# KiCad board rabbit_mask_capacitors_right.kicad_pcb (continued)
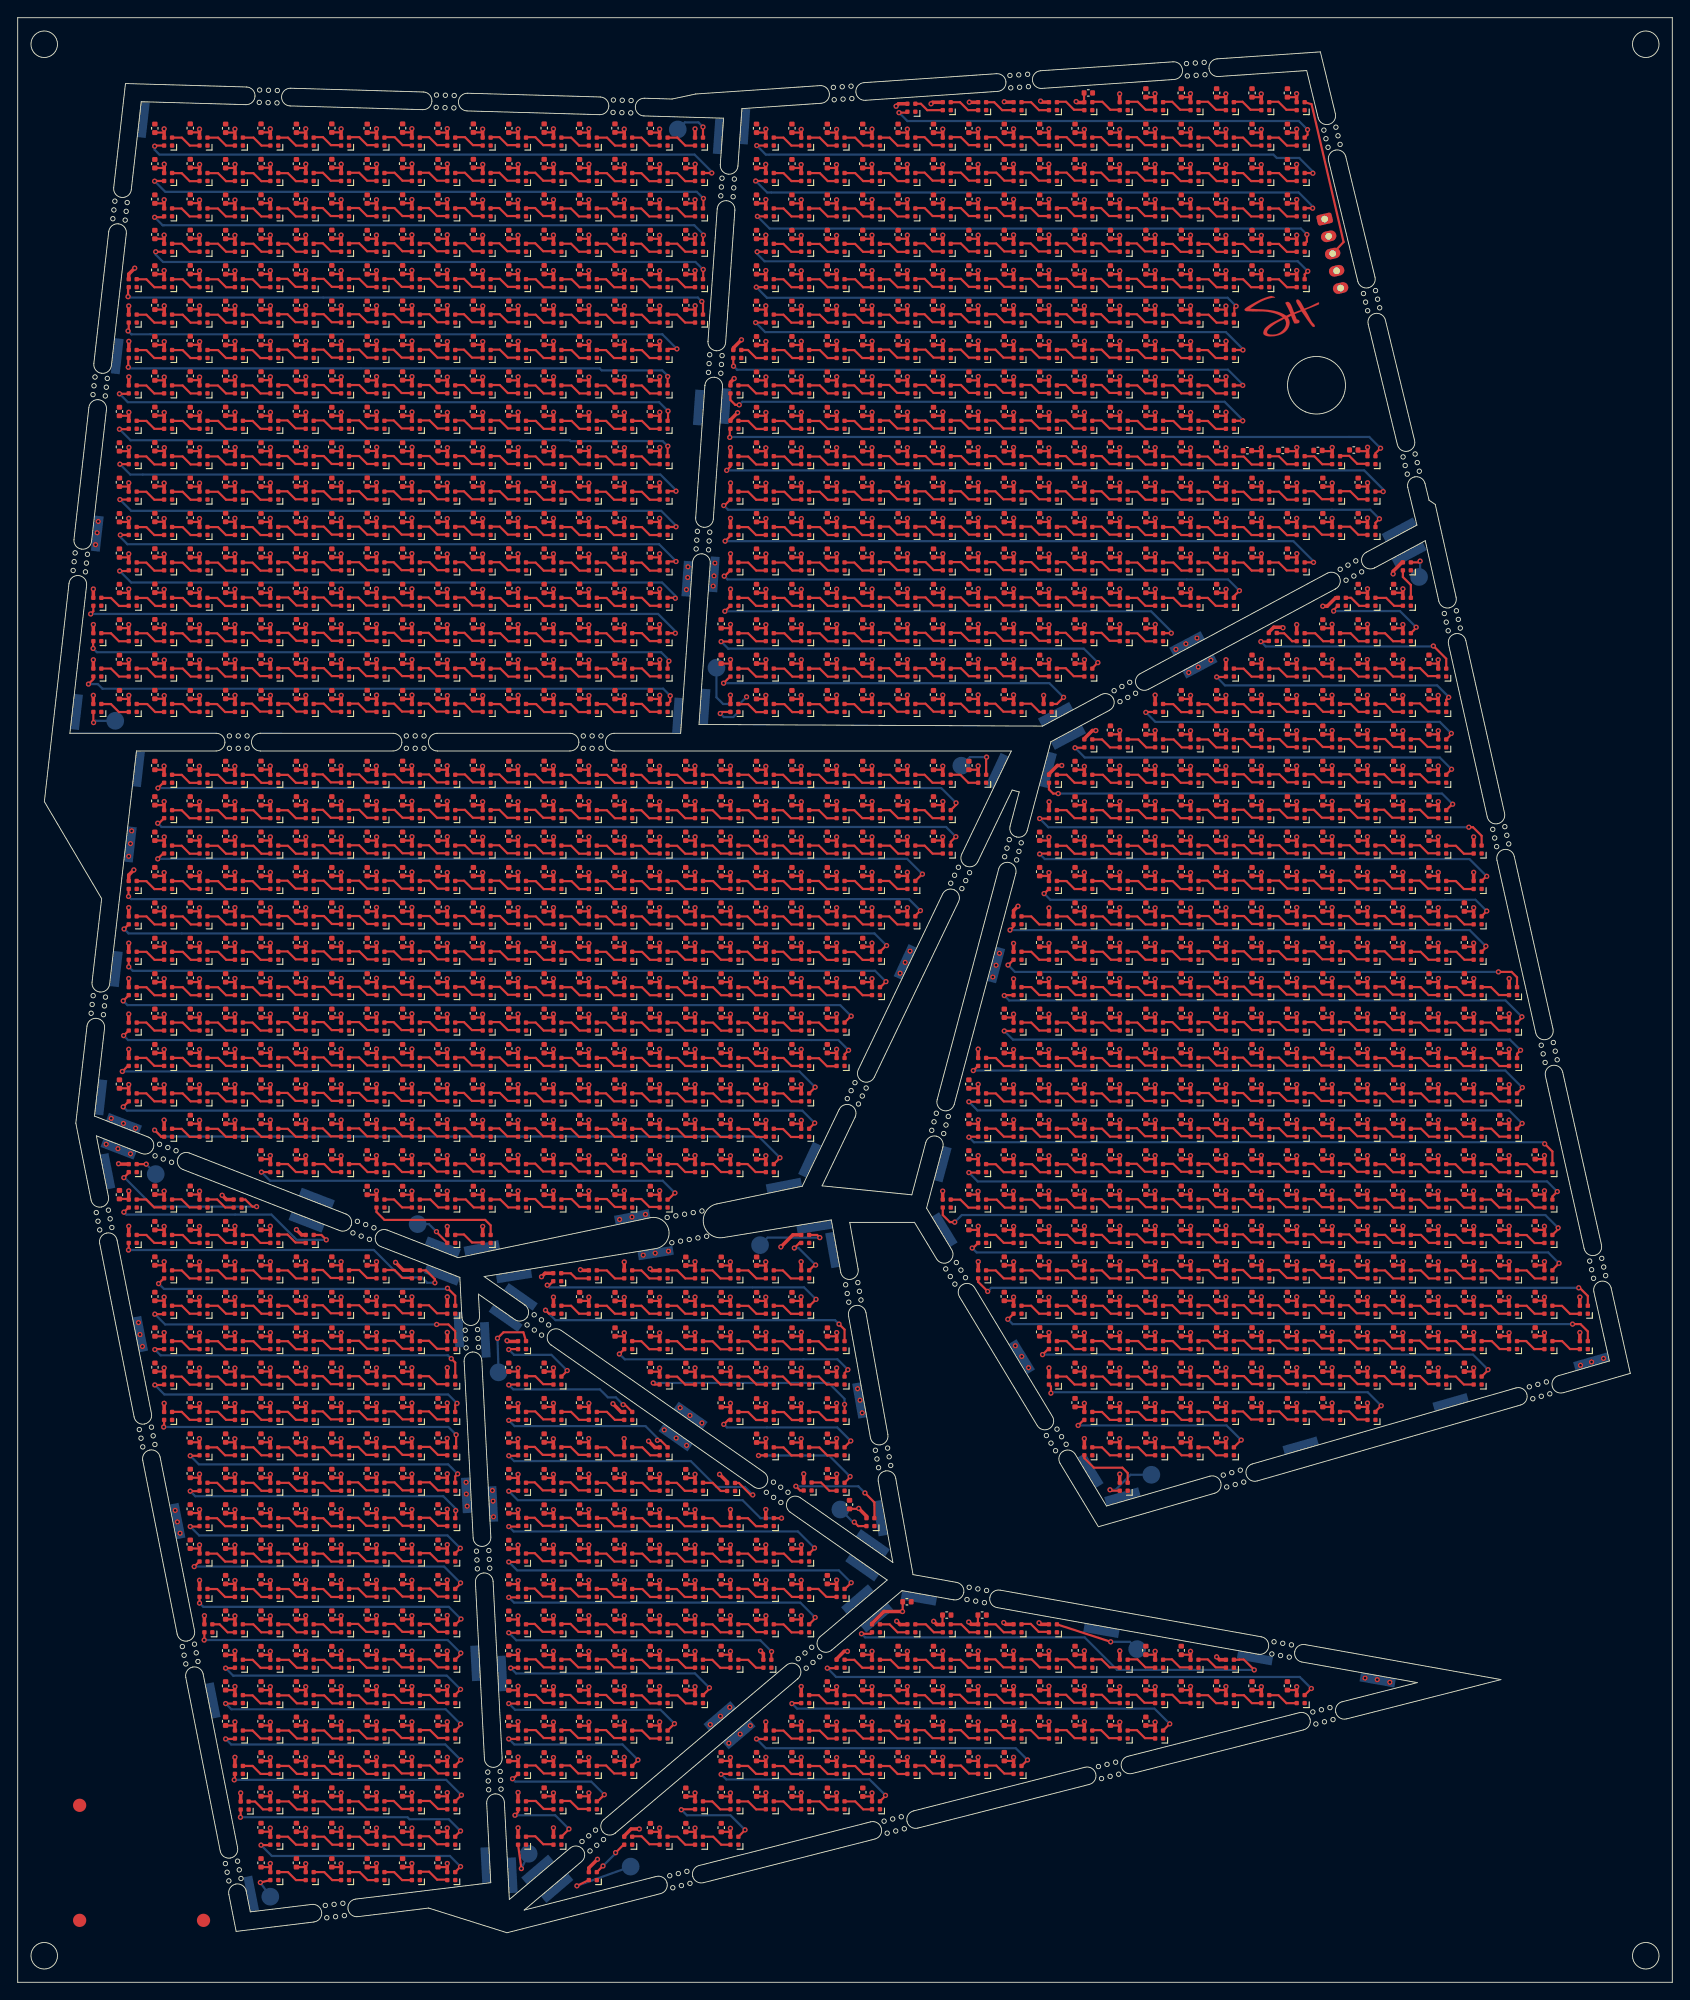
[diagram p0: board, top side]
## Routing (per net, layer and track width the routed paths; a pad name or vN(x,y) marks a point on that pad's centre or on a via; arc(x,y) is an arc through that point) (continued)
Net-(D2722-DIN): length 3.5
  Top w0.25: 28.64,59.55 27.54,59.55 26.64,60.45 25.54,60.45
Net-(D2723-DIN): length 3.5
  Top w0.25: 29.54,60.45 30.64,60.45 31.54,59.55 32.64,59.55
Net-(D2724-DIN): length 3.5
  Top w0.25: 36.54,59.55 35.44,59.55 34.54,60.45 33.44,60.45
Net-(D2725-DIN): length 3.5
  Top w0.25: 37.39,60.5 38.49,60.5 39.39,59.6 40.49,59.6
Net-(D2726-DIN): length 3.5
  Top w0.25: 41.49,60.5 42.59,60.5 43.49,59.6 44.59,59.6
Net-(D2727-DIN): length 3.5
  Top w0.25: 48.59,59.6 47.49,59.6 46.59,60.5 45.49,60.5
Net-(D2729-DIN): length 3.5
  Top w0.25: 57.34,60.5 58.44,60.5 59.34,59.6 60.44,59.6
Net-(D2729-DOUT): length 33.1
  Top w0.25: v1(55.5,59.5) 56.5,59.5 D2729.3 ; v1(83.07,55.07) 82.85,55.07 81.5,56.43 D2756.1
  Bottom w0.25: v1(83.07,55.07) 82.18,55.97 78.95,55.97 78.95,56.03 76.08,58.9 56.1,58.9 v1(55.5,59.5)
Net-(D2730-DIN): length 3.5
  Top w0.25: 64.49,59.6 63.39,59.6 62.49,60.5 61.39,60.5
Net-(D2731-DIN): length 3.5
  Top w0.25: 68.54,59.55 67.44,59.55 66.54,60.45 65.44,60.45
Net-(D2732-DIN): length 3.5
  Top w0.25: 72.59,59.55 71.49,59.55 70.59,60.45 69.49,60.45
Net-(D2734-DIN): length 3.5
  Top w0.25: 85.45,60.44 86.55,60.44 87.45,59.54 88.55,59.54
Net-(D2734-DOUT): length 13.1
  Top w0.25: D2734.3 83.75,59.55 v1(83.73,59.53) ; D2758.1 94.07,57.07 v1(94.07,57.15)
  Bottom w0.25: v1(94.07,57.15) 91.7,59.53 v1(83.73,59.53)
Net-(D2735-DIN): length 3.5
  Top w0.25: 89.5,60.44 90.6,60.44 91.5,59.54 92.6,59.54
Net-(D2737-DIN): length 3.5
  Top w0.25: 121.44,60.45 122.54,60.45 123.44,59.55 124.54,59.55
Net-(D2737-DOUT): length 7
  Top w0.25: D2759.1 125.45,57.55 124.85,58.15 121.62,58.15 120.55,59.22 D2737.3
Net-(D2738-DIN): length 3.5
  Top w0.25: 128.64,59.55 127.54,59.55 126.64,60.45 125.54,60.45
Net-(D2739-DIN): length 3.5
  Top w0.25: 132.64,59.55 131.54,59.55 130.64,60.45 129.54,60.45
Net-(D2740-DIN): length 3.5
  Top w0.25: 133.44,60.45 134.54,60.45 135.44,59.55 136.54,59.55
Net-(D2742-DIN): length 3.5
  Top w0.25: 21.44,56.44 22.54,56.44 23.44,55.54 24.54,55.54
Net-(D2742-DOUT): length 33
  Top w0.25: v1(49.5,53.3) 49.5,52.5 D2767.1 ; D2742.3 20.5,55.5 v1(19.5,55.5)
  Bottom w0.25: v1(49.5,53.3) 49.5,53.53 48.1,54.93 20.07,54.93 v1(19.5,55.5)
Net-(D2743-DIN): length 3.5
  Top w0.25: 28.64,55.54 27.54,55.54 26.64,56.44 25.54,56.44
Net-(D2744-DIN): length 3.5
  Top w0.25: 29.54,56.44 30.64,56.44 31.54,55.54 32.64,55.54
Net-(D2745-DIN): length 3.5
  Top w0.25: 33.44,56.44 34.54,56.44 35.44,55.54 36.54,55.54
Net-(D2746-DIN): length 3.5
  Top w0.25: 37.39,56.49 38.49,56.49 39.39,55.59 40.49,55.59
Net-(D2747-DIN): length 3.5
  Top w0.25: 44.59,55.59 43.49,55.59 42.59,56.49 41.49,56.49
Net-(D2748-DIN): length 3.5
  Top w0.25: 45.49,56.49 46.59,56.49 47.49,55.59 48.59,55.59
Net-(D2750-DIN): length 3.5
  Top w0.25: 60.44,55.59 59.34,55.59 58.44,56.49 57.34,56.49
Net-(D2750-DOUT): length 34
  Top w0.25: D2750.3 56.5,55.5 v1(55.5,55.5) ; D2775.1 v1(86.32,52.45)
  Bottom w0.25: v1(86.32,52.45) 83.95,52.45 81.93,54.47 56.52,54.47 v1(55.5,55.5)
Net-(D2751-DIN): length 3.5
  Top w0.25: 64.49,55.59 63.39,55.59 62.49,56.49 61.39,56.49
Net-(D2752-DIN): length 3.5
  Top w0.25: 65.44,56.44 66.54,56.44 67.44,55.54 68.54,55.54
Net-(D2753-DIN): length 3.5
  Top w0.25: 69.49,56.44 70.59,56.44 71.49,55.54 72.59,55.54
Net-(D2754-DIN): length 3.5
  Top w0.25: 73.39,56.44 74.49,56.44 75.39,55.54 76.49,55.54
Net-(D2755-DIN): length 3.1
  Top w0.25: D2756.3 79.45,55.53 78.54,56.44 77.44,56.44
Net-(D2757-DIN): length 3.2
  Top w0.25: 92.52,55.55 91.72,55.55 90.8,56.47 89.69,56.47
Net-(D2757-DOUT): length 12.5
  Top w0.25: v1(87.95,56.05) 88.43,55.57 D2757.3 ; v1(95.75,55.3) 96.82,54.22 D2776.1
  Bottom w0.25: v1(95.75,55.3) 95,56.05 v1(87.95,56.05)
Net-(D2760-DIN): length 3.5
  Top w0.25: 21.44,52.44 22.54,52.44 23.44,51.54 24.54,51.54
Net-(D2760-DOUT): length 33.4
  Top w0.25: v1(50.02,49.05) 49.45,48.47 D2784.1 ; D2760.3 20.5,51.5 v1(19.5,51.5)
  Bottom w0.25: v1(50.02,49.05) 48.57,50.5 20.5,50.5 v1(19.5,51.5)
Net-(D2761-DIN): length 3.5
  Top w0.25: 28.64,51.54 27.54,51.54 26.64,52.44 25.54,52.44
Net-(D2762-DIN): length 3.5
  Top w0.25: 32.64,51.54 31.54,51.54 30.64,52.44 29.54,52.44
Net-(D2763-DIN): length 3.5
  Top w0.25: 33.44,52.44 34.54,52.44 35.44,51.54 36.54,51.54
Net-(D2764-DIN): length 3.5
  Top w0.25: 37.39,52.49 38.49,52.49 39.39,51.59 40.49,51.59
Net-(D2765-DIN): length 3.5
  Top w0.25: 44.59,51.59 43.49,51.59 42.59,52.49 41.49,52.49
Net-(D2766-DIN): length 3.5
  Top w0.25: 48.59,51.59 47.49,51.59 46.59,52.49 45.49,52.49
Net-(D2768-DIN): length 3.5
  Top w0.25: 60.44,51.59 59.34,51.59 58.44,52.49 57.34,52.49
Net-(D2768-DOUT): length 37.5
  Top w0.25: D2793.1 90.05,49.05 v1(90.05,49.07) ; v1(55.5,51.5) 56.5,51.5 D2768.3
  Bottom w0.25: v1(90.05,49.07) 88.18,50.95 56.05,50.95 v1(55.5,51.5)
Net-(D2769-DIN): length 3.5
  Top w0.25: 64.49,51.59 63.39,51.59 62.49,52.49 61.39,52.49
Net-(D2770-DIN): length 3.5
  Top w0.25: 68.54,51.54 67.44,51.54 66.54,52.44 65.44,52.44
Net-(D2771-DIN): length 3.5
  Top w0.25: 72.59,51.54 71.49,51.54 70.59,52.44 69.49,52.44
Net-(D2772-DIN): length 3.5
  Top w0.25: 76.49,51.54 75.39,51.54 74.49,52.44 73.39,52.44
Net-(D2773-DIN): length 3.5
  Top w0.25: 77.44,52.44 78.54,52.44 79.44,51.54 80.54,51.54
Net-(D2774-DIN): length 3.5
  Top w0.25: 81.44,52.44 82.54,52.44 83.44,51.54 84.54,51.54
Net-(D2777-DIN): length 3.5
  Top w0.25: 24.54,47.54 23.44,47.54 22.54,48.44 21.44,48.44
Net-(D2777-DOUT): length 32.6
  Top w0.25: v1(50.05,45.12) 50.05,45.05 D2801.1 ; v1(19.95,46.97) 20.53,47.55 D2777.3
  Bottom w0.25: v1(50.05,45.12) 48.2,46.97 v1(19.95,46.97)
Net-(D2778-DIN): length 3.5
  Top w0.25: 28.64,47.54 27.54,47.54 26.64,48.44 25.54,48.44
Net-(D2779-DIN): length 3.5
  Top w0.25: 32.64,47.54 31.54,47.54 30.64,48.44 29.54,48.44
Net-(D2780-DIN): length 3.5
  Top w0.25: 33.44,48.44 34.54,48.44 35.44,47.54 36.54,47.54
Net-(D2781-DIN): length 3.5
  Top w0.25: 37.39,48.49 38.49,48.49 39.39,47.59 40.49,47.59
Net-(D2782-DIN): length 3.5
  Top w0.25: 44.59,47.59 43.49,47.59 42.59,48.49 41.49,48.49
Net-(D2783-DIN): length 3.5
  Top w0.25: 48.59,47.59 47.49,47.59 46.59,48.49 45.49,48.49
Net-(D2785-DIN): length 3.5
  Top w0.25: 57.34,48.49 58.44,48.49 59.34,47.59 60.44,47.59
Net-(D2785-DOUT): length 41.8
  Top w0.25: v1(94.2,45.15) 93.5,44.45 D2811.1 ; v1(55.5,47.5) 56.5,47.5 D2785.3
  Bottom w0.25: v1(55.5,47.5) 56.45,46.55 92.8,46.55 v1(94.2,45.15)
Net-(D2786-DIN): length 3.5
  Top w0.25: 64.49,47.59 63.39,47.59 62.49,48.49 61.39,48.49
Net-(D2787-DIN): length 3.5
  Top w0.25: 68.54,47.54 67.44,47.54 66.54,48.44 65.44,48.44
Net-(D2788-DIN): length 3.5
  Top w0.25: 72.59,47.54 71.49,47.54 70.59,48.44 69.49,48.44
Net-(D2789-DIN): length 3.5
  Top w0.25: 73.39,48.44 74.49,48.44 75.39,47.54 76.49,47.54
Net-(D2790-DIN): length 3.5
  Top w0.25: 80.54,47.54 79.44,47.54 78.54,48.44 77.44,48.44
Net-(D2791-DIN): length 3.5
  Top w0.25: 84.55,47.54 83.45,47.54 82.55,48.44 81.45,48.44
Net-(D2792-DIN): length 3.5
  Top w0.25: 85.5,48.44 86.6,48.44 87.5,47.54 88.6,47.54
Net-(D2794-DIN): length 3.5
  Top w0.25: 24.54,43.54 23.44,43.54 22.54,44.44 21.44,44.44
Net-(D2794-DOUT): length 31.9
  Top w0.25: v1(50.1,41.05) 49.5,40.45 D2819.1 ; v1(20.55,42.85) D2794.3
  Bottom w0.25: v1(20.55,42.85) 20.97,42.43 48.73,42.43 v1(50.1,41.05)
Net-(D2795-DIN): length 3.5
  Top w0.25: 28.64,43.54 27.54,43.54 26.64,44.44 25.54,44.44
Net-(D2796-DIN): length 3.5
  Top w0.25: 32.64,43.54 31.54,43.54 30.64,44.44 29.54,44.44
Net-(D2797-DIN): length 3.5
  Top w0.25: 33.44,44.44 34.54,44.44 35.44,43.54 36.54,43.54
Net-(D2798-DIN): length 3.5
  Top w0.25: 37.39,44.49 38.49,44.49 39.39,43.59 40.49,43.59
Net-(D2799-DIN): length 3.5
  Top w0.25: 44.59,43.59 43.49,43.59 42.59,44.49 41.49,44.49
Net-(D2800-DIN): length 3.5
  Top w0.25: 48.59,43.59 47.49,43.59 46.59,44.49 45.49,44.49
Net-(D2802-DIN): length 3.5
  Top w0.25: 57.34,44.49 58.44,44.49 59.34,43.59 60.44,43.59
Net-(D2802-DOUT): length 37.7
  Top w0.25: v1(90.12,41.22) 90.12,41.12 D2828.1 ; v1(55.5,43.5) 56.5,43.5 D2802.3
  Bottom w0.25: v1(55.5,43.5) 56.1,42.9 88.45,42.9 v1(90.12,41.22)
Net-(D2803-DIN): length 3.5
  Top w0.25: 64.49,43.59 63.39,43.59 62.49,44.49 61.39,44.49
Net-(D2804-DIN): length 3.5
  Top w0.25: 65.44,44.44 66.54,44.44 67.44,43.54 68.54,43.54
Net-(D2805-DIN): length 3.5
  Top w0.25: 72.59,43.54 71.49,43.54 70.59,44.44 69.49,44.44
Net-(D2806-DIN): length 3.5
  Top w0.25: 73.39,44.44 74.49,44.44 75.39,43.54 76.49,43.54
Net-(D2807-DIN): length 3.5
  Top w0.25: 77.44,44.44 78.54,44.44 79.44,43.54 80.54,43.54
Net-(D2808-DIN): length 3.5
  Top w0.25: D2809.3 83.45,43.55 82.55,44.45 D2808.1
Net-(D2809-DIN): length 3.5
  Top w0.25: 88.6,43.55 87.5,43.55 86.6,44.45 85.5,44.45
Net-(D2810-DIN): length 3.5
  Top w0.25: 89.4,44.45 90.5,44.45 91.4,43.55 92.5,43.55
Net-(D2812-DIN): length 2.9
  Top w0.25: 24.53,39.55 23.73,39.55 22.82,40.45 D2812.1
Net-(D2812-DOUT): length 31.5
  Top w0.25: D2841.1 50.07,37.07 v1(50.07,37.2) ; D2812.3 21.1,38.7 v1(21.07,38.68)
  Bottom w0.25: v1(50.07,37.2) 48.6,38.68 v1(21.07,38.68)
Net-(D2813-DIN): length 3.5
  Top w0.25: 25.53,40.45 26.63,40.45 27.53,39.55 28.63,39.55
Net-(D2814-DIN): length 3.5
  Top w0.25: 32.63,39.55 31.53,39.55 30.63,40.45 29.53,40.45
Net-(D2815-DIN): length 3.5
  Top w0.25: 36.53,39.55 35.43,39.55 34.53,40.45 33.43,40.45
Net-(D2816-DIN): length 3.5
  Top w0.25: 40.48,39.6 39.38,39.6 38.48,40.5 37.38,40.5
Net-(D2817-DIN): length 3.5
  Top w0.25: 44.58,39.6 43.48,39.6 42.58,40.5 41.48,40.5
Net-(D2818-DIN): length 3.5
  Top w0.25: 45.48,40.5 46.58,40.5 47.48,39.6 48.58,39.6
Net-(D2820-DIN): length 3.5
  Top w0.25: 60.43,39.6 59.33,39.6 58.43,40.5 57.33,40.5
Net-(D2820-DOUT): length 32.6
  Top w0.25: v1(55.5,39.5) 56.5,39.5 D2820.3 ; D2849.1 85.18,37.35 v1(85.2,37.38)
  Bottom w0.25: v1(85.2,37.38) 83.93,38.65 56.35,38.65 v1(55.5,39.5)
Net-(D2821-DIN): length 3.5
  Top w0.25: 64.48,39.6 63.38,39.6 62.48,40.5 61.38,40.5
Net-(D2822-DIN): length 3.5
  Top w0.25: 65.43,40.45 66.53,40.45 67.43,39.55 68.53,39.55
Net-(D2823-DIN): length 3.5
  Top w0.25: 69.48,40.45 70.58,40.45 71.48,39.55 72.58,39.55
Net-(D2824-DIN): length 3.5
  Top w0.25: 76.48,39.55 75.38,39.55 74.48,40.45 73.38,40.45
Net-(D2825-DIN): length 3.5
  Top w0.25: 80.53,39.55 79.43,39.55 78.53,40.45 77.43,40.45
Net-(D2826-DIN): length 3.5
  Top w0.25: 84.57,39.57 83.47,39.57 82.57,40.47 81.47,40.47
Net-(D2827-DIN): length 3.5
  Top w0.25: 85.46,40.44 86.56,40.44 87.46,39.54 88.56,39.54
Net-(D2829-DIN): length 3.5
  Top w0.25: 100.54,39.55 99.44,39.55 98.54,40.45 97.44,40.45
Net-(D2829-DOUT): length 50.1
  Top w0.25: v1(139.75,35.3) 138.57,36.47 138.07,36.47 138.05,36.45 D2861.1 ; v1(95.36,39.38) 96.38,39.38 D2829.3
  Bottom w0.25: v1(139.75,35.3) 124.26,35.3 120.58,38.97 95.77,38.97 v1(95.36,39.38)
Net-(D2830-DIN): length 3.5
  Top w0.25: 104.64,39.55 103.54,39.55 102.64,40.45 101.54,40.45
Net-(D2831-DIN): length 3.5
  Top w0.25: 108.64,39.55 107.54,39.55 106.64,40.45 105.54,40.45
Net-(D2832-DIN): length 3.5
  Top w0.25: 112.54,39.55 111.44,39.55 110.54,40.45 109.44,40.45
Net-(D2833-DIN): length 3.5
  Top w0.25: 113.39,40.5 114.49,40.5 115.39,39.6 116.49,39.6
Net-(D2835-DIN): length 3.5
  Top w0.25: 25.45,36.44 26.55,36.44 27.45,35.54 28.55,35.54
Net-(D2835-DOUT): length 29.5
  Top w0.25: D2868.1 49.45,32.5 v1(50.05,33.1) ; D2835.3 24.5,35.5 v1(23.5,35.5)
  Bottom w0.25: v1(23.5,35.5) 24.35,34.65 48.5,34.65 v1(50.05,33.1)
Net-(D2836-DIN): length 3.5
  Top w0.25: 29.55,36.44 30.65,36.44 31.55,35.54 32.65,35.54
Net-(D2837-DIN): length 3.5
  Top w0.25: 36.65,35.54 35.55,35.54 34.65,36.44 33.55,36.44
Net-(D2838-DIN): length 3.5
  Top w0.25: 40.55,35.54 39.45,35.54 38.55,36.44 37.45,36.44
Net-(D2839-DIN): length 3.5
  Top w0.25: 44.5,35.59 43.4,35.59 42.5,36.49 41.4,36.49
Net-(D2840-DIN): length 3.5
  Top w0.25: 48.6,35.59 47.5,35.59 46.6,36.49 45.5,36.49
Net-(D2842-DIN): length 3.5
  Top w0.25: 60.55,35.59 59.45,35.59 58.55,36.49 57.45,36.49
Net-(D2842-DOUT): length 25.4
  Top w0.25: D2874.1 78.18,33.18 v1(78.18,33.28) ; v1(55.72,35.51) 55.76,35.55 D2842.3
  Bottom w0.25: v1(55.72,35.51) 56.33,34.9 76.55,34.9 v1(78.18,33.28)
Net-(D2843-DIN): length 3.5
  Top w0.25: 61.35,36.49 62.45,36.49 63.35,35.59 64.45,35.59
Net-(D2844-DIN): length 3.5
  Top w0.25: 68.5,35.59 67.4,35.59 66.5,36.49 65.4,36.49
Net-(D2845-DIN): length 3.5
  Top w0.25: 69.45,36.44 70.55,36.44 71.45,35.54 72.55,35.54
Net-(D2846-DIN): length 3.5
  Top w0.25: 76.6,35.54 75.5,35.54 74.6,36.44 73.5,36.44
Net-(D2847-DIN): length 3.5
  Top w0.25: 77.4,36.44 78.5,36.44 79.4,35.54 80.5,35.54
Net-(D2848-DIN): length 3.2
  Top w0.25: D2849.3 83.44,35.55 82.55,36.44 81.45,36.44
Net-(D2850-DIN): length 3.5
  Top w0.25: 96.55,35.54 95.45,35.54 94.55,36.44 93.45,36.44
Net-(D2850-DOUT): length 57.8
  Top w0.25: D2850.3 92.5,35.5 v1(91.5,35.5) ; D2889.1 v1(146.2,33.2)
  Bottom w0.25: v1(146.2,33.2) 144.9,34.5 92.5,34.5 v1(91.5,35.5)
Net-(D2851-DIN): length 3.5
  Top w0.25: 100.65,35.54 99.55,35.54 98.65,36.44 97.55,36.44
Net-(D2852-DIN): length 3.5
  Top w0.25: 104.65,35.54 103.55,35.54 102.65,36.44 101.55,36.44
Net-(D2853-DIN): length 3.5
  Top w0.25: 105.45,36.44 106.55,36.44 107.45,35.54 108.55,35.54
Net-(D2854-DIN): length 3.5
  Top w0.25: 109.4,36.49 110.5,36.49 111.4,35.59 112.5,35.59
Net-(D2855-DIN): length 3.5
  Top w0.25: 113.5,36.49 114.6,36.49 115.5,35.59 116.6,35.59
Net-(D2856-DIN): length 3.5
  Top w0.25: 120.6,35.59 119.5,35.59 118.6,36.49 117.5,36.49
Net-(D2857-DIN): length 3.5
  Top w0.25: 124.5,35.59 123.4,35.59 122.5,36.49 121.4,36.49
Net-(D2858-DIN): length 3.5
  Top w0.25: 125.45,36.49 126.55,36.49 127.45,35.59 128.55,35.59
Net-(D2859-DIN): length 3.5
  Top w0.25: 132.45,35.59 131.35,35.59 130.45,36.49 129.35,36.49
Net-(D2860-DIN): length 3.5
  Top w0.25: 136.5,35.59 135.4,35.59 134.5,36.49 133.4,36.49
Net-(D2862-DIN): length 3.5
  Top w0.25: 28.55,31.52 27.45,31.52 26.55,32.42 25.45,32.42
Net-(D2862-DOUT): length 29.6
  Top w0.25: D2896.1 50.05,29.05 v1(50.05,29.18) ; D2862.3 24.5,31.5 v1(23.5,31.5)
  Bottom w0.25: v1(50.05,29.18) 48.38,30.85 24.15,30.85 v1(23.5,31.5)
Net-(D2863-DIN): length 3.5
  Top w0.25: 32.65,31.52 31.55,31.52 30.65,32.42 29.55,32.42
Net-(D2864-DIN): length 3.5
  Top w0.25: 33.55,32.42 34.65,32.42 35.55,31.52 36.65,31.52
Net-(D2865-DIN): length 3.5
  Top w0.25: 37.45,32.42 38.55,32.42 39.45,31.52 40.55,31.52
Net-(D2866-DIN): length 3.5
  Top w0.25: 41.4,32.47 42.5,32.47 43.4,31.57 44.5,31.57
Net-(D2867-DIN): length 3.5
  Top w0.25: 45.5,32.47 46.6,32.47 47.5,31.57 48.6,31.57
Net-(D2869-DIN): length 3.5
  Top w0.25: 57.45,32.47 58.55,32.47 59.45,31.57 60.55,31.57
Net-(D2869-DOUT): length 21.8
  Top w0.25: v1(55.5,31.5) 56.5,31.5 D2869.3 ; D2901.1 v1(74.23,29.22)
  Bottom w0.25: v1(74.23,29.22) 72.65,30.8 56.2,30.8 v1(55.5,31.5)
Net-(D2870-DIN): length 3.5
  Top w0.25: 61.35,32.47 62.45,32.47 63.35,31.57 64.45,31.57
Net-(D2871-DIN): length 3.5
  Top w0.25: 68.5,31.57 67.4,31.57 66.5,32.47 65.4,32.47
Net-(D2872-DIN): length 3.5
  Top w0.25: 69.45,32.42 70.55,32.42 71.45,31.52 72.55,31.52
Net-(D2873-DIN): length 3.5
  Top w0.25: 76.6,31.52 75.5,31.52 74.6,32.42 73.5,32.42
Net-(D2875-DIN): length 3.5
  Top w0.25: 89.44,32.44 90.54,32.44 91.44,31.54 92.54,31.54
Net-(D2875-DOUT): length 45.8
  Top w0.25: v1(87.5,31.5) 87.55,31.55 D2875.3 ; v1(130.2,29.2) D2913.1
  Bottom w0.25: v1(130.2,29.2) 128.48,30.93 88.07,30.93 v1(87.5,31.5)
Net-(D2876-DIN): length 3.5
  Top w0.25: 93.54,32.44 94.64,32.44 95.54,31.54 96.64,31.54
Net-(D2877-DIN): length 3.5
  Top w0.25: 100.64,31.54 99.54,31.54 98.64,32.44 97.54,32.44
Net-(D2878-DIN): length 3.5
  Top w0.25: 104.54,31.54 103.44,31.54 102.54,32.44 101.44,32.44
Net-(D2879-DIN): length 3.5
  Top w0.25: 105.39,32.49 106.49,32.49 107.39,31.59 108.49,31.59
Net-(D2880-DIN): length 3.5
  Top w0.25: 112.59,31.59 111.49,31.59 110.59,32.49 109.49,32.49
Net-(D2881-DIN): length 3.5
  Top w0.25: 113.49,32.49 114.59,32.49 115.49,31.59 116.59,31.59
Net-(D2882-DIN): length 3.5
  Top w0.25: 120.49,31.59 119.39,31.59 118.49,32.49 117.39,32.49
Net-(D2883-DIN): length 3.5
  Top w0.25: 124.54,31.59 123.44,31.59 122.54,32.49 121.44,32.49
Net-(D2884-DIN): length 3.5
  Top w0.25: 125.34,32.49 126.44,32.49 127.34,31.59 128.44,31.59
Net-(D2885-DIN): length 3.5
  Top w0.25: 132.49,31.59 131.39,31.59 130.49,32.49 129.39,32.49
Net-(D2886-DIN): length 3.5
  Top w0.25: 136.54,31.54 135.44,31.54 134.54,32.44 133.44,32.44
Net-(D2887-DIN): length 3.5
  Top w0.25: 137.49,32.44 138.59,32.44 139.49,31.54 140.59,31.54
Net-(D2888-DIN): length 3.5
  Top w0.25: 144.49,31.54 143.39,31.54 142.49,32.44 141.39,32.44
Net-(D2890-DIN): length 3.5
  Top w0.25: D2891.3 27.45,27.55 26.55,28.45 D2890.1
Net-(D2890-DOUT): length 29.6
  Top w0.25: D2920.1 49.45,24.5 v1(50.07,25.12) ; v1(23.5,27.5) 24.5,27.5 D2890.3
  Bottom w0.25: v1(23.5,27.5) 24.12,26.88 48.32,26.88 v1(50.07,25.12)
Net-(D2891-DIN): length 3.5
  Top w0.25: 32.65,27.55 31.55,27.55 30.65,28.45 29.55,28.45
Net-(D2892-DIN): length 3.5
  Top w0.25: 36.65,27.55 35.55,27.55 34.65,28.45 33.55,28.45
Net-(D2893-DIN): length 3.5
  Top w0.25: D2893.1 38.55,28.45 39.45,27.55 D2894.3
Net-(D2894-DIN): length 3.5
  Top w0.25: 41.4,28.5 42.5,28.5 43.4,27.6 44.5,27.6
Net-(D2895-DIN): length 3.5
  Top w0.25: 45.5,28.5 46.6,28.5 47.5,27.6 48.6,27.6
Net-(D2897-DIN): length 3.5
  Top w0.25: 57.45,28.5 58.55,28.5 59.45,27.6 60.55,27.6
Net-(D2897-DOUT): length 17.6
  Top w0.25: v1(55.5,27.5) 56.5,27.5 D2897.3 ; v1(70.1,25.12) 70.1,25.1 D2924.1
  Bottom w0.25: v1(70.1,25.12) 68.35,26.88 56.12,26.88 v1(55.5,27.5)
Net-(D2898-DIN): length 3.5
  Top w0.25: 64.45,27.6 63.35,27.6 62.45,28.5 61.35,28.5
Net-(D2899-DIN): length 3.5
  Top w0.25: 68.5,27.6 67.4,27.6 66.5,28.5 65.4,28.5
Net-(D2900-DIN): length 3.5
  Top w0.25: D2900.1 70.55,28.45 71.45,27.55 D2901.3
Net-(D2902-DIN): length 3.5
  Top w0.25: 88.55,27.54 87.45,27.54 86.55,28.44 85.45,28.44
Net-(D2902-DOUT): length 33.6
  Top w0.25: v1(83.5,27.5) 84.5,27.5 D2902.3 ; D2933.1 v1(114.12,25.12)
  Bottom w0.25: v1(83.5,27.5) 84.55,26.45 112.8,26.45 v1(114.12,25.12)
Net-(D2903-DIN): length 3.5
  Top w0.25: 89.55,28.44 90.65,28.44 91.55,27.54 92.65,27.54
Net-(D2904-DIN): length 3.5
  Top w0.25: 96.65,27.54 95.55,27.54 94.65,28.44 93.55,28.44
Net-(D2905-DIN): length 3.5
  Top w0.25: 100.55,27.54 99.45,27.54 98.55,28.44 97.45,28.44
Net-(D2906-DIN): length 3.5
  Top w0.25: 101.4,28.49 102.5,28.49 103.4,27.59 104.5,27.59
Net-(D2907-DIN): length 3.5
  Top w0.25: 108.6,27.59 107.5,27.59 106.6,28.49 105.5,28.49
Net-(D2908-DIN): length 3.5
  Top w0.25: 109.5,28.49 110.6,28.49 111.5,27.59 112.6,27.59
Net-(D2909-DIN): length 3.5
  Top w0.25: 116.5,27.59 115.4,27.59 114.5,28.49 113.4,28.49
Net-(D2910-DIN): length 3.5
  Top w0.25: 120.55,27.59 119.45,27.59 118.55,28.49 117.45,28.49
Net-(D2911-DIN): length 3.5
  Top w0.25: 124.45,27.59 123.35,27.59 122.45,28.49 121.35,28.49
Net-(D2912-DIN): length 3.5
  Top w0.25: 125.4,28.49 126.5,28.49 127.4,27.59 128.5,27.59
Net-(D2914-DIN): length 3.5
  Top w0.25: D2915.3 27.45,23.55 26.55,24.45 D2914.1
Net-(D2914-DOUT): length 28.1
  Top w0.25: v1(24.47,22.88) 24.55,22.95 D2914.3 ; v1(50.15,21.15) D2940.1
  Bottom w0.25: v1(24.47,22.88) 48.43,22.88 v1(50.15,21.15)
Net-(D2915-DIN): length 3.5
  Top w0.25: 29.55,24.45 30.65,24.45 31.55,23.55 32.65,23.55
Net-(D2916-DIN): length 3.5
  Top w0.25: 36.65,23.55 35.55,23.55 34.65,24.45 33.55,24.45
Net-(D2917-DIN): length 3.5
  Top w0.25: D2917.1 38.55,24.45 39.45,23.55 D2918.3
Net-(D2918-DIN): length 3.5
  Top w0.25: 41.4,24.5 42.5,24.5 43.4,23.6 44.5,23.6
Net-(D2919-DIN): length 3.5
  Top w0.25: 48.6,23.6 47.5,23.6 46.6,24.5 45.5,24.5
Net-(D2921-DIN): length 3.5
  Top w0.25: 57.45,24.5 58.55,24.5 59.45,23.6 60.55,23.6
Net-(D2921-DOUT): length 13.1
  Top w0.25: D2943.1 65.55,20.45 v1(66.3,21.2) ; v1(55.93,23) 56,23 D2921.3
  Bottom w0.25: v1(55.93,23) 56.25,22.68 64.82,22.68 v1(66.3,21.2)
Net-(D2922-DIN): length 3.5
  Top w0.25: 61.35,24.5 62.45,24.5 63.35,23.6 64.45,23.6
Net-(D2923-DIN): length 3.5
  Top w0.25: 68.5,23.6 67.4,23.6 66.5,24.5 65.4,24.5
Net-(D2925-DIN): length 3.5
  Top w0.25: D2926.3 83.45,23.55 82.55,24.45 D2925.1
Net-(D2925-DOUT): length 21.6
  Top w0.25: D2949.1 98.07,21.07 v1(98.07,21.12) ; D2925.3 79.55,23.55 v1(79.5,23.5)
  Bottom w0.25: v1(98.07,21.12) 96.27,22.93 80.07,22.93 v1(79.5,23.5)
Net-(D2926-DIN): length 3.5
  Top w0.25: 88.55,23.54 87.45,23.54 86.55,24.44 85.45,24.44
Net-(D2927-DIN): length 3.5
  Top w0.25: 92.65,23.54 91.55,23.54 90.65,24.44 89.55,24.44
Net-(D2928-DIN): length 3.5
  Top w0.25: 96.65,23.54 95.55,23.54 94.65,24.44 93.55,24.44
Net-(D2929-DIN): length 3.5
  Top w0.25: 97.45,24.44 98.55,24.44 99.45,23.54 100.55,23.54
Net-(D2930-DIN): length 3.5
  Top w0.25: 104.5,23.59 103.4,23.59 102.5,24.49 101.4,24.49
Net-(D2931-DIN): length 3.5
  Top w0.25: 108.6,23.59 107.5,23.59 106.6,24.49 105.5,24.49
Net-(D2932-DIN): length 3.5
  Top w0.25: 112.6,23.59 111.5,23.59 110.6,24.49 109.5,24.49
Net-(D2934-DIN): length 2.8
  Top w0.25: D2934.1 26.82,20.43 27.71,19.54 28.55,19.54
Net-(D2934-DOUT): length 27.3
  Top w0.25: v1(25.18,18.65) 25.2,18.68 D2934.3 ; v1(50.05,17.1) 49.45,16.5 D2955.1
  Bottom w0.25: v1(50.05,17.1) 48.73,18.43 44.27,18.43 44.05,18.65 v1(25.18,18.65)
Net-(D2935-DIN): length 3.5
  Top w0.25: 32.65,19.54 31.55,19.54 30.65,20.44 29.55,20.44
Net-(D2936-DIN): length 3.5
  Top w0.25: 33.55,20.44 34.65,20.44 35.55,19.54 36.65,19.54
Net-(D2937-DIN): length 3.5
  Top w0.25: 37.45,20.44 38.55,20.44 39.45,19.54 40.55,19.54
Net-(D2938-DIN): length 3.5
  Top w0.25: 41.4,20.49 42.5,20.49 43.4,19.59 44.5,19.59
Net-(D2939-DIN): length 3.5
  Top w0.25: 45.5,20.49 46.6,20.49 47.5,19.59 48.6,19.59
Net-(D2941-DIN): length 3.5
  Top w0.25: 60.55,19.59 59.45,19.59 58.55,20.49 57.45,20.49
Net-(D2941-DOUT): length 8.8
  Top w0.25: v1(62.3,17.32) 62.3,17.3 D2957.1 ; v1(56.2,18.88) 56.55,19.22 D2941.3
  Bottom w0.25: v1(62.3,17.32) 60.75,18.88 v1(56.2,18.88)
Net-(D2942-DIN): length 3.5
  Top w0.25: 64.45,19.59 63.35,19.59 62.45,20.49 61.35,20.49
Net-(D2944-DIN): length 3.5
  Top w0.25: 80.5,19.54 79.4,19.54 78.5,20.44 77.4,20.44
Net-(D2944-DOUT): length 10.8
  Top w0.25: D2944.3 75.05,19.55 v1(75,19.5) ; D2961.1 82.2,17.2 v1(82.2,17.22)
  Bottom w0.25: v1(82.2,17.22) 80.55,18.88 75.62,18.88 v1(75,19.5)
Net-(D2945-DIN): length 3.5
  Top w0.25: 84.55,19.54 83.45,19.54 82.55,20.44 81.45,20.44
Net-(D2946-DIN): length 3.5
  Top w0.25: 88.55,19.54 87.45,19.54 86.55,20.44 85.45,20.44
Net-(D2947-DIN): length 3.5
  Top w0.25: 92.65,19.54 91.55,19.54 90.65,20.44 89.55,20.44
Net-(D2948-DIN): length 3.5
  Top w0.25: 93.55,20.44 94.65,20.44 95.55,19.54 96.65,19.54
Net-(D2950-DIN): length 3.5
  Top w0.25: D2951.3 31.45,15.55 30.55,16.45 D2950.1
Net-(D2950-DOUT): length 25.5
  Top w0.25: v1(27.5,15.5) 28.5,15.5 D2950.3 ; D2967.1 49.45,12.47 v1(50.05,13.07)
  Bottom w0.25: v1(50.05,13.07) 48.85,14.28 28.72,14.28 v1(27.5,15.5)
Net-(D2951-DIN): length 3.5
  Top w0.25: 36.65,15.55 35.55,15.55 34.65,16.45 33.55,16.45
Net-(D2952-DIN): length 3.5
  Top w0.25: 37.55,16.45 38.65,16.45 39.55,15.55 40.65,15.55
Net-(D2953-DIN): length 3.5
  Top w0.25: D2954.3 43.45,15.55 42.55,16.45 D2953.1
Net-(D2954-DIN): length 3.5
  Top w0.25: 48.5,15.6 47.4,15.6 46.5,16.5 45.4,16.5
Net-(D2956-DIN): length 3.5
  Top w0.25: 60.5,15.6 59.4,15.6 58.5,16.5 57.4,16.5
Net-(D2958-DIN): length 3.5
  Top w0.25: 69.4,16.5 70.5,16.5 71.4,15.6 72.5,15.6
Net-(D2958-DOUT): length 4.4
  Top w0.25: D2958.3 68.48,15.55 v1(67.57,14.65) ; v1(66.15,13.15) D2968.1
  Bottom w0.25: v1(66.15,13.15) 67.57,14.57 v1(67.57,14.65)
Net-(D2959-DIN): length 3.5
  Top w0.25: D2960.3 75.45,15.55 74.55,16.45 D2959.1
Net-(D2960-DIN): length 3.5
  Top w0.25: 77.5,16.45 78.6,16.45 79.5,15.55 80.6,15.55
Net-(D2962-DIN): length 3.5
  Top w0.25: D2962.1 30.55,12.45 31.45,11.55 D2963.3
Net-(D2963-DIN): length 3.5
  Top w0.25: 33.55,12.45 34.65,12.45 35.55,11.55 36.65,11.55
Net-(D2964-DIN): length 3.5
  Top w0.25: 40.65,11.55 39.55,11.55 38.65,12.45 37.55,12.45
Net-(D2965-DIN): length 3.5
  Top w0.25: D2965.1 42.55,12.45 43.45,11.55 D2966.3
Net-(D2966-DIN): length 3.5
  Top w0.25: 45.4,12.5 46.5,12.5 47.4,11.6 48.5,11.6

## Copper pours and planes (outline as drawn; the poured copper is in the pictures)
GND on Top: 98.25,45.44 52.1,77.73 55.59,9.35
GND on Top: 112.29,139.11 13.44,139.13 8.69,97.85 49.79,81.85 88.69,89.95
GND on Top: 145.66,216.01 81.86,211.72 77.02,142.12 115.83,141.93 158.13,164.68
GND on Top: 158.07,33.84 99.98,44.25 57.32,8.17
GND on Top: 91.96,86.13 52.78,79.73 98.9,47.43
GND on Top: 74.94,141.14 79.79,210.62 13.99,212.49 5.91,141.12
GND on Top: 49.98,79.63 8.92,95.63 26.31,7.95 53.47,11.25
GND on Top: 159.09,162.87 116.78,140.17 102.74,87.45 123.09,53.8 179.9,70.21
VCC on Bottom: 112.3,139.14 13.45,139.16 8.7,97.88 49.8,81.88 88.7,89.98
VCC on Bottom: 159.09,162.89 116.78,140.19 102.74,87.47 123.09,53.82 179.9,70.23
VCC on Bottom: 74.98,141.16 79.83,210.64 14.03,212.51 5.95,141.14
VCC on Bottom: 145.65,216.02 81.85,211.73 77.01,142.13 115.82,141.94 158.12,164.69
